# Altium PCB Grandmaster.PcbDoc (part 2 of 3)
Units mil, origin at the board's own origin, x right, y up, seen from the top; angles counter-clockwise.
Board outline 7087.6 x 4375.98 mil, 6 copper layers (TOP, SGND, IN1, IN2, SGND1, BOTTOM), stack 47.2 mil thick; 162 components, 146 nets, 938 pads, 430 vias.
Unrouted connection lines stored in the file: 225.
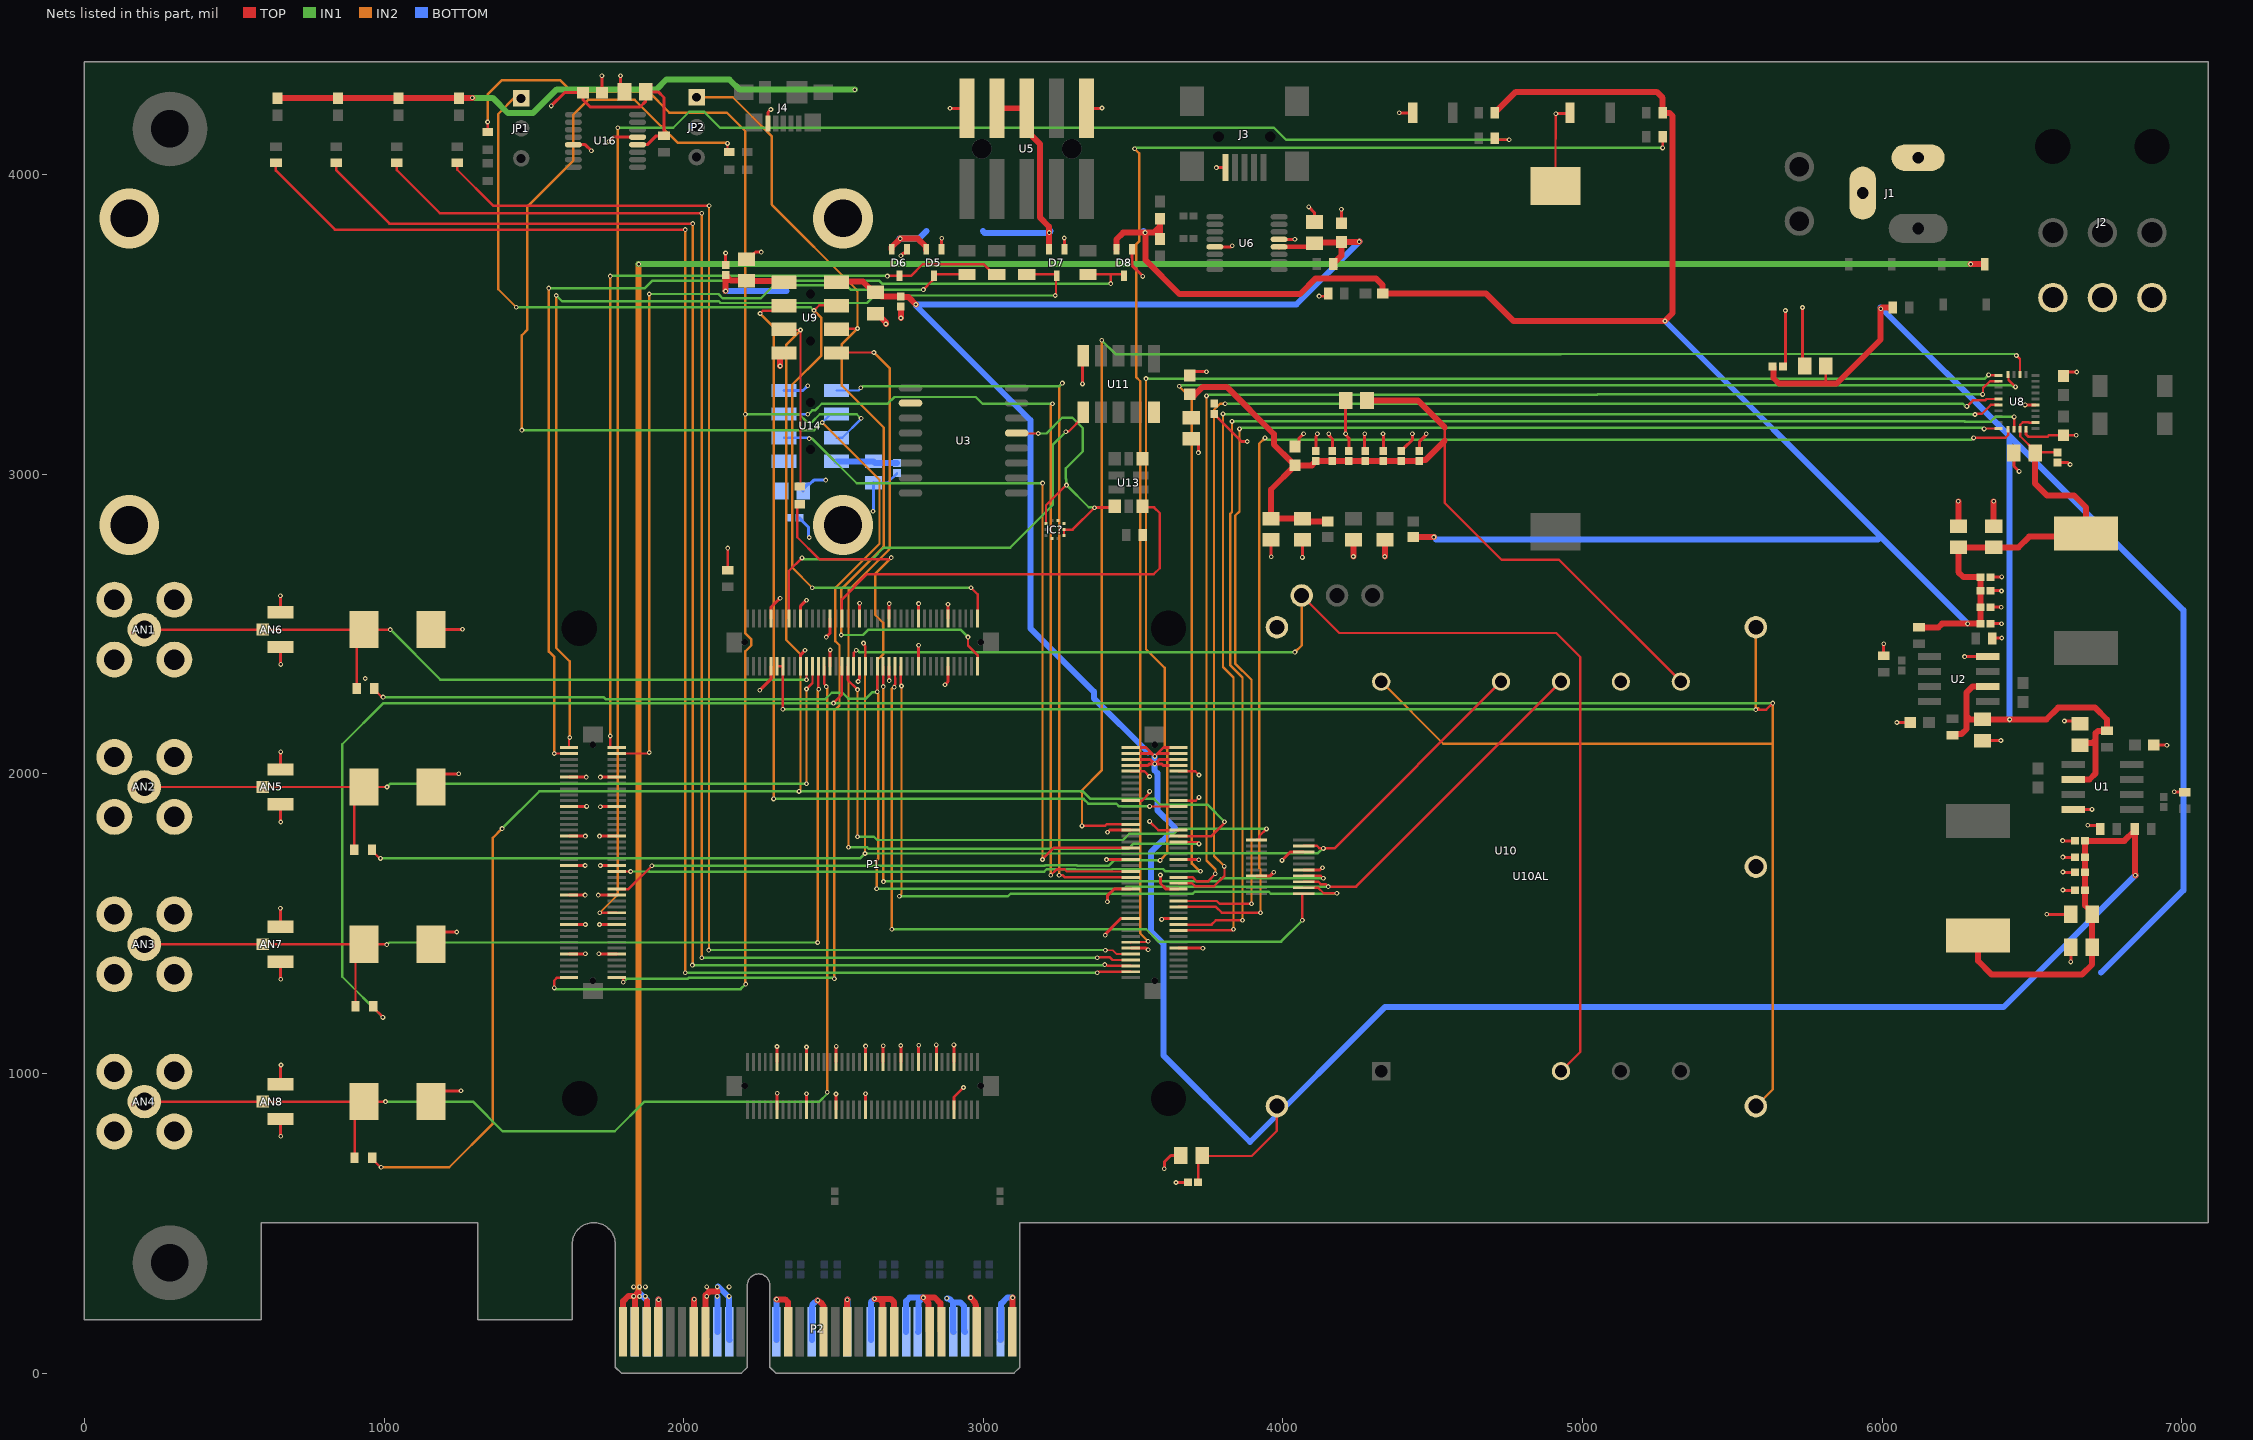
[diagram p6: the nets of this part, all layers, seen from the top]

## Via types
v1: diameter 16, hole 8, TOP to BOTTOM, 426 vias
v2: diameter 200, hole 125.98, TOP to BOTTOM, 4 vias

## Nets (pads, with @x,y where several pads share a name; then routed paths per layer and width w, separated by ;. In a path a pad name is that pad's centre, name@x,y a point inside that pad or via, vN(x,y) a via of type N, cw(c..) or ccw(c..) an arc to the next point about the centre after c; other vN are vias at no path point) (continued)
+3.3V: C7.1 C8.1 C9.1 C10.1 C11.1 C12.1 C56.1 C57.1 C58.1 C59.1 C87.1 C88.1 D4.2 D5.2 D6.2 D7.2 D8.2 D9.2 D10.2 D11.2 D12.2 D13.2 D14.2 FB2.1 L2.1 R5.2 R22.2 R32.2 R33.2 U5.4 U5.6 U8.3 U8.28 U9.2 U14.2 | length 11858.6
  TOP w8: R22.2@2146.84,2679.23 v1(2146.84,2753.06) ; U8.28@6511.36,3172.17 6490.44,3172.17 6489.26,3173.34 6469.48,3173.34 6460.76,3164.62 6460.76,3150.94 U8.3@6459.84,3150.02 6460.54,3149.32 6460.54,3126.7 6510.28,3076.97 C56.1@6510.28,3071.06 6512.2,3072.99 C57.1@6584.84,3072.99
  TOP w20: D11.2@644.84,4254.61 D12.2@846.51,4254.61 D13.2@1048.18,4254.61 D14.2@1249.84,4254.61 1293.39,4254.61 v1(1294.84,4256.06) ; v1(2139.84,3611.06) C59.1@2139.84,3663.35 ; C59.1@2142.31,3666.61 C59.1@2139.84,3664.13 C59.1@2139.84,3663.35 ; U9.2@2329.84,3642.28 2328.17,3643.96 2211.52,3643.96 C58.1@2209.84,3645.63 2157.56,3645.63 C59.1@2139.84,3663.35 ; D6.2@2694.25,3750.35 2694.25,3757.91 v1(2722.41,3786.07) 2781.09,3786.07 2809.25,3757.91 D5.2@2809.25,3750.35 ; U5.4@3044.84,4221.14 U5.6@3144.84,4221.14 3144.84,4146.14 3189.55,4101.44 3189.55,3855.9 3219.25,3826.2 D7.2@3219.25,3750.35 ; D8.2@3444.25,3750.35 3444.25,3783.82 3466.5,3806.06 v1(3539.84,3806.06) v1@3540.35,3806.57 ; D10.2@3589.84,3784.61 3589.84,3827.05 ; D9.2@3589.84,3852.52 3589.84,3827.05 ; FB2.1@4434.84,2789.88 v1(4503.66,2789.88) ; R32.2@4707.01,4206.06 4707.01,4211.57 4711.18,4215.75 4716.69,4215.75 4777.01,4276.06 5246.84,4276.06 5267.01,4255.9 R33.2@5267.01,4206.06 5289.84,4206.06 5299.84,4196.06 5299.84,3537.15 5274.84,3512.15 v1(5274.84,3511.06) 5274.08,3511.83 4768.68,3511.83 4677.17,3603.35 D4.2@4332.68,3603.35 4331.69,3604.33 4331.69,3631.89 4310.04,3653.54 4109.25,3653.54 4057.09,3601.38 3654.11,3601.38 3540.35,3715.13 v1@3540.35,3806.57 ; R5.2@6122.84,2488.23 6187.05,2488.23 6199.88,2501.06 v1(6284.84,2501.06) C10.1@6327.91,2501.06 C11.1@6327.91,2556.06 C12.1@6327.91,2611.06 C9.1@6327.91,2656.06 6271.1,2656.06 6253.94,2673.23 C7.1@6253.94,2755.91 C8.1@6372.05,2755.91 6454.72,2755.91 6490.16,2791.34 6669.17,2791.34 L2.1@6679.84,2802.01 6679.84,2889.06 6639.76,2929.13 6549.21,2929.13 6510.28,2968.07 C56.1@6510.28,3071.06 ; v1@3540.35,3806.57 3540.61,3806.83 3569.62,3806.83 3589.84,3827.05
  IN1 w20: v1(1294.84,4256.06) 1362.39,4256.06 1413.73,4204.72 1496.73,4204.72 1576.46,4284.45 1909.45,4284.45 1941.93,4316.93 2152.56,4316.93 2186.43,4283.06 v1(2570.84,4283.06)
  BOTTOM w20: v1(2139.84,3611.06) 2342.88,3611.06 ; v1@2719.85,3786.07 v1(2722.41,3786.07) 2784.51,3786.07 2809.51,3811.06 ; 2998.07,3811.06 3004.07,3805.06 3218.84,3805.06 v1(3219.84,3806.06) v1@3224.84,3811.06 ; v1@3534.84,3811.06 v1(3539.84,3806.06) ; v1(4503.66,2789.88) 4511.47,2782.07 5985.85,2782.07 5994.84,2791.06 ; v1(5274.84,3511.06) 5994.84,2791.06 ; v1(6284.84,2501.06) 5994.84,2791.06
+3.3V_CLEAN: C65.2 C66.2 C67.2 C74.2 C75.2 C76.2 C77.2 C78.2 C79.2 C80.2 C81.2 C82.2 C83.2 C84.2 FB3.2 IC?.1 IC?.6 IC?.10 R42.2 U3.2 U10AL.7 U11.10 U13.9 | length 3002.4
  TOP w8: 4539.84,3156.06 4539.84,3111.55 4539.84,2904.06 4729.33,2714.57 4920.67,2714.57 U10AL.7@5327.76,2307.48
  TOP w20: C67.2@3702.44,3261.09 3732.42,3291.06 3812.27,3291.06 3969.84,3133.49 3969.84,3098.72 4029.31,3039.25 4031.14,3039.25 4039.84,3030.55 C76.2@4039.84,3029.57 ; FB3.2@4149.84,2842.24 4074.09,2842.24 C75.2@4064.84,2851.5 C74.2@3959.84,2851.5 3959.84,2948.58 4039.84,3028.58 C76.2@4039.84,3029.57 ; C84.2@4280.28,3246.06 4449.84,3246.06 4539.84,3156.06 ; 4539.84,3111.55 4474.9,3046.61 4457.31,3046.61 C83.2@4454.84,3044.13 C82.2@4394.84,3044.13 C81.2@4334.84,3044.13 C80.2@4274.84,3044.13 C79.2@4219.84,3044.13 C78.2@4164.84,3044.13 C77.2@4109.84,3044.13 4109.84,3043.35 4096.06,3029.57 C76.2@4039.84,3029.57
+3.3V_PCIE: P2.A9 P2.A10 P2.B8 | length 481.9
  TOP w20: P2.B8@2072.84,137.8 2072.84,259.84 2084.65,271.65 2112.2,271.65 ; P2.B8@2073.62,111.06 P2.B8@2076.7,114.14
  BOTTOM w20: P2.A9@2112.21,137.8 v1(2112.2,255.91) ; v1@2114.84,288.7 2151.14,252.4 2151.14,112.29 P2.A10@2152.36,111.06
  other v1: 2076.77,255.91 2151.57,255.91 2076.77,287.4 2112.2,287.4 2151.57,287.4
+5.0V: C13.1 C14.1 C15.1 C16.1 C17.1 C18.1 C54.2 C55.2 C60.1 C61.1 C62.1 C63.1 C89.1 C90.1 C91.2 C92.2 L1.1 P1.1-1 P1.1-2 P1.1-3 P1.1-4 P1.1-5 P1.1-6 P1.1-7 P1.1-8 R4.1 R27.1 R43.1 U6.12 U9.1 U10.P5 U14.1 U16.12 | length 12181.1
  TOP w8: C63.1@3716.77,636.06 3716.77,712.56 C62.1@3730.28,726.06 3730.28,731.97 3737.83,724.41 3895.67,724.41 3979.73,808.47 U10.P5@3979.73,890.62
  TOP w10: v1(1557.84,4229.06) 1601.84,4273.06 C92.2@1664.35,4273.06 1664.35,4248.56 1687.84,4225.06 1853.84,4225.06 1873.28,4244.5 C91.2@1873.28,4270.16 ; U16.12@1846.13,4099.56 1878.34,4099.56 1908.01,4129.23 R43.1@1933.84,4129.23 1933.84,4257.06 1914.84,4276.06 C91.2@1879.18,4276.06 ; C91.2@1873.28,4276.06 C91.2@1873.28,4270.16 ; C91.2@1890.91,4299.31 1873.28,4281.67 C91.2@1873.28,4270.16 ; P1.1-7@3492.02,2028.29 3550.07,2028.29 3554.84,2033.06 v1(3571.84,2033.06) ; P1.1-5@3492.02,2047.98 3556.92,2047.98 v1(3571.84,2033.06) ; P1.1-3@3492.02,2067.66 3562.24,2067.66 ; P1.1-1@3492.02,2087.35 3542.55,2087.35 3562.24,2067.66 ; P1.1-8@3651.46,2028.29 3599.61,2028.29 3594.84,2033.06 v1(3571.84,2033.06) ; P1.1-6@3651.46,2047.98 3586.76,2047.98 v1(3571.84,2033.06) ; P1.1-4@3651.46,2067.66 3581.44,2067.66 ; P1.1-2@3651.46,2087.35 3601.13,2087.35 3581.44,2067.66 ; 3562.24,2067.66 v1(3571.84,2058.06) 3581.44,2067.66
  TOP w16: U6.12@3987.13,3758.56 3987.27,3758.7 4092.92,3758.7 C54.2@4104.84,3770.63
  TOP w20: U9.1@2504.84,3642.28 2598.15,3642.28 2633.94,3606.5 C60.1@2639.84,3606.5 2645.75,3606.5 2659.25,3592.99 C61.1@2724.84,3592.99 2727.31,3590.52 2750.39,3590.52 v1(2774.84,3566.06) ; C54.2@4104.84,3770.63 4106.81,3772.6 4192.87,3772.6 C55.2@4194.84,3774.57 ; R27.1@4167.01,3701.06 4167.01,3706.57 4171.18,3710.75 4176.69,3710.75 4194.84,3728.9 C55.2@4194.84,3774.57 ; v1(4254.84,3776.06) 4253.35,3774.57 C55.2@4194.84,3774.57 ; L1.1@6319.84,1460.12 6319.84,1375.04 6364.17,1330.71 6667.32,1330.71 6700.28,1363.66 C13.1@6700.28,1421.06 C14.1@6700.28,1531.06 6700.28,1536.97 6676.77,1560.47 C15.1@6676.77,1611.06 C16.1@6676.77,1671.06 C17.1@6676.77,1721.06 C18.1@6676.77,1776.06 6808.19,1776.06 R4.1@6842.68,1810.55 ; R4.1@6842.68,1816.06 R4.1@6842.68,1810.55 ; v1(6844.84,1661.06) 6844.84,1666.06 6842.68,1668.23 R4.1@6842.68,1810.55
  BOTTOM w20: U14.1@2509.84,3042.84 2632.5,3042.84 C89.1@2632.84,3042.5 2638.35,3036.99 C90.1@2711.84,3036.99 ; 3549.84,2071.06 3368.84,2252.06 3368.84,2273.83 3157.07,2485.6 3157.07,3180.53 2774.84,3562.76 v1(2774.84,3566.06) 4044.84,3566.06 v1(4254.84,3776.06) ; v1(3571.84,2058.06) v1(3571.84,2033.06) 3571.84,2010.83 3580.84,2001.83 3580.84,1878.24 3639.84,1819.24 3559.84,1739.24 3559.84,1473.49 3600.57,1432.76 3600.57,1060.33 3889.84,771.06 4339.72,1220.94 6404.72,1220.94 v1(6844.84,1661.06)
+12V: C1.1 C2.1 C5.1 C6.1 F1.2 R2.2 R3.2 U1.2 U2.2 | length 5484.9
  TOP w8: 5812.01,3302.17 C1.1@5812.01,3361.22
  TOP w20: C2.1@5636.81,3357.28 5636.92,3357.17 5636.92,3320.76 5655.51,3302.17 5812.01,3302.17 5847.44,3302.17 5994.84,3449.57 v1(5994.84,3552.06) 5998.84,3556.06 F1.2@6035.68,3556.06 ; R3.2@6234.84,2128.9 6239.02,2133.07 6264.96,2133.07 6281.5,2149.61 6281.5,2192.91 ; U2.2@6352.28,2291.06 6300.91,2291.06 6281.5,2271.65 6281.5,2192.91 ; U1.2@6637.4,1981.06 6691.69,1981.06 6712.16,2001.53 6712.16,2114.06 ; C6.1@6659.84,2095.63 6666.55,2102.34 6700.44,2102.34 6712.16,2114.06 ; R2.2@6749.84,2143.23 R2.2@6744.33,2143.23 ; 6281.5,2192.91 6293.13,2181.28 6424.63,2181.28 v1(6424.84,2181.06) 6547.85,2181.06 6587.26,2220.47 6710.63,2220.47 6750,2181.1 6750,2148.9 R2.2@6744.33,2143.23 ; 6712.16,2114.06 6712.16,2135.39 6720,2143.23 R2.2@6744.33,2143.23
  BOTTOM w20: v1@5994.84,3556.06 6424.84,3126.06 ; v1(6424.84,2181.06) 6424.84,3126.06 ; 6729.84,1336.06 7004.84,1611.06 7004.84,2546.06 6424.84,3126.06
+12V_PCIE: D3.2 P2.A2 P2.A3 P2.B1 P2.B2 P2.B3 | length 8740
  TOP w20: P2.B1@1798.03,111.06 1798.03,239.96 1815.07,257 1835.78,257 1846.6,267.82 1849.84,267.82 1837.4,255.38 P2.B2@1837.4,111.06 ; P2.B3@1876.77,111.06 1876.77,240.89 ; v1(6294.84,3701.06) D3.2@6341.69,3701.06
  IN1 w20: v1(1849.84,3701.06) v1(6294.84,3701.06)
  IN2 w20: 1849.84,271.06 v1(1849.84,3701.06)
  BOTTOM w20: P2.A2@1837.4,111.06 1837.4,257.54 1849.84,269.98 1876.77,243.05 P2.A3@1876.77,111.06
  other v1: 1832.68,255.91 1852.36,255.91 1872.05,255.91 1832.68,287.4 1852.36,287.4 1872.05,287.4
ANT1: AN1.1 AN6.1 D16.A P1.2-21 R14.2 | length 2530.6
  TOP w8: AN1.1@199.84,2481.06 AN6.1@594.8,2481.06 D16.A@932.64,2481.06 ; R14.2@908.46,2284.45 908.46,2456.89 D16.A@932.64,2481.06 ; v1(1020.84,2481.06) D16.A@932.64,2481.06 ; v1(2409.84,2314.06) P1.2-21@2409.82,2358.81
  IN1 w8: v1(1020.84,2481.06) 1187.84,2314.06 v1(2409.84,2314.06)
ANT2: AN2.1 AN5.1 D15.A P1.2-23 R15.2 | length 2837
  TOP w8: AN2.1@199.84,1956.06 AN5.1@594.8,1956.06 D15.A@932.64,1956.06 ; R15.2@900.59,1747.05 900.59,1924.02 D15.A@932.64,1956.06 ; v1(1009.84,1956.06) D15.A@932.64,1956.06 ; v1(2409.84,2283.06) 2429.84,2303.06 2429.84,2322.35 2429.64,2322.54 2429.64,2358.68 P1.2-23@2429.51,2358.81
  IN1 w8: v1(1009.84,1956.06) 1020.84,1967.06 v1(2409.84,1967.06)
  IN2 w8: v1(2409.84,1967.06) v1(2409.84,2283.06)
ANT3: AN3.1 AN7.1 D17.A P1.2-25 R16.2 | length 3392.7
  TOP w8: AN3.1@199.84,1431.06 AN7.1@594.8,1431.06 D17.A@932.64,1431.06 ; R16.2@904.53,1224.41 904.53,1402.95 D17.A@932.64,1431.06 ; v1(1008.84,1430.06) 1007.84,1431.06 D17.A@932.64,1431.06 ; P1.2-25@2449.19,2358.81 2449.19,2285.88 2450.84,2284.23 v1(2450.84,2282.06)
  IN1 w8: v1(1008.84,1430.06) 1010.53,1430.06 1017.53,1437.06 v1(2446.84,1437.06)
  IN2 w8: v1(2446.84,1437.06) 2446.84,2275.9 2450.84,2279.9 v1(2450.84,2282.06)
ANT4: AN4.1 AN8.1 D18.A P1.2-27 R36.2 | length 4003.1
  TOP w8: AN4.1@199.84,906.06 AN8.1@594.8,906.06 D18.A@932.64,906.06 ; R36.2@901.57,718.5 901.57,875 D18.A@932.64,906.06 ; v1(1004.84,906.06) D18.A@932.64,906.06 ; P1.2-27@2468.88,2358.81 2468.88,2299.75 2475.84,2292.79 v1(2475.84,2291.06)
  IN1 w8: v1(1004.84,906.06) 1296.69,906.06 1395.67,807.09 1769.68,807.09 1868.66,906.06 2452.84,906.06 2478.84,932.06 v1(2478.84,937.06)
  IN2 w8: v1(2475.84,2291.06) 2478.84,2288.06 v1(2478.84,937.06)
CSN: P1.1-27 U8.18 | length 4960.1
  TOP w8: v1(3329.17,1826.06) 3405.84,1826.06 3411.22,1831.44 P1.1-27@3492.02,1831.44 ; v1(6447.58,3396.06) 6459.69,3383.96 U8.18@6459.69,3332.11
  IN1 w8: v1(3394.84,3447.06) 3441.31,3400.59 4926.87,3400.59 4927.34,3401.06 6440.41,3401.06 6445.41,3396.06 v1(6447.58,3396.06)
  IN2 w8: v1(3329.17,1826.06) 3329.17,1936.73 3324.84,1941.06 3394.84,2011.06 v1(3394.84,3447.06)
DCXO1: P1.2-34 U13.6 | length 1418.3
  TOP w8: P1.2-34@2527.93,2518.25 2527.93,2582.07 2612.2,2666.34 3568.9,2666.34 3588.58,2686.02 3588.58,2870.08 3569.68,2888.98 3534.46,2888.98 U13.6@3531.1,2892.34
DCXO2: P1.2-16 U11.6 | length 1489.1
  TOP w8: P1.2-16@2350.77,2518.25 2350.77,2676.56 v1(2394.69,2720.47) ; v1(3275.59,3141.73) 3277.12,3143.26 3285.9,3143.26 3333.11,3190.47 U11.6@3333.11,3206.22
  IN1 w8: v1(2394.69,2720.47) 2396.28,2718.88 ccw(c2401.94,2724.54) 2401.94,2716.54 2626.61,2716.54 ccw(c2626.61,2724.54) 2632.28,2718.89 2665.95,2752.56 cw(c2671.62,2746.92) 2671.58,2754.92 ; 2671.62,2754.92 3089.57,2754.92 3232.28,2897.64 3232.28,3098.43 v1(3275.59,3141.73)
FPGA_TCK: D5.3 P1.3-77 R18.1 | length 2756.2
  TOP w8: P1.3-77@1776.55,2067.7 1881.48,2067.7 v1(1884.84,2071.06) ; v1(2799.84,3616.06) 2829,3645.22 2829,3655.93 D5.3@2834.84,3661.77 2839.76,3666.69 R18.1@2944.84,3666.69
  IN1 w8: v1(1884.84,3601.06) 2115.9,3601.06 2129.9,3587.06 2257.8,3587.06 2300.61,3629.87 2543.32,3629.87 2557.13,3616.06 v1(2799.84,3616.06)
  IN2 w8: v1(1884.84,2071.06) v1(1884.84,3601.06)
FPGA_TDI: D8.3 P1.3-78 R21.1 | length 3668.2
  TOP w8: v1(1568.2,2067.7) P1.3-78@1617.11,2067.7 ; R21.1@3349.84,3666.69 3425.2,3666.69 ; v1(3424.84,3636.06) 3425.2,3636.42 3425.2,3666.69 ; D8.3@3464,3648.06 3469.84,3653.9 D8.3@3469.84,3661.77 3464.92,3666.69 3425.2,3666.69
  IN1 w8: v1(1549.84,3621.06) 1870.9,3621.06 1895.71,3645.87 2652.18,3645.87 2661.99,3636.06 v1(3424.84,3636.06)
  IN2 w8: v1(1549.84,3621.06) 1549.84,2465.28 1549.84,2407.84 1568.2,2389.48 v1(1568.2,2067.7)
FPGA_TDO: D6.3 P1.3-79 R19.1 | length 2916.3
  TOP w8: v1(1754.84,2126.06) 1754.84,2088.31 1755.76,2087.39 P1.3-79@1776.55,2087.39 ; v1(2679.84,3661.06) 2680.55,3661.77 D6.3@2719.84,3661.77 2758.23,3661.77 2797.52,3701.06 3000.63,3701.06 3035,3666.69 R19.1@3044.84,3666.69
  IN1 w8: v1(1754.84,3661.06) 1755.65,3661.87 2679.03,3661.87 v1(2679.84,3661.06)
  IN2 w8: v1(1754.84,2126.06) v1(1754.84,3661.06)
FPGA_TMS: D7.3 P1.3-80 R20.1 | length 3384
  TOP w8: P1.3-80@1617.11,2087.39 1617.11,2118.33 v1(1619.84,2121.06) ; R20.1@3144.84,3666.69 3239.92,3666.69 D7.3@3244.84,3661.77 3242.34,3659.27 3242.34,3598.56 v1(3239.84,3596.06)
  IN1 w8: v1(1574.84,3596.06) 1593.84,3577.06 2117.27,3577.06 2123.27,3571.06 2611.92,3571.06 2636.92,3596.06 v1(3239.84,3596.06)
  IN2 w8: v1(1574.84,3596.06) 1574.84,2420.24 1619.84,2375.24 v1(1619.84,2121.06)
GND: AN1.2 AN1.3 AN1.4 AN1.5 AN2.2 AN2.3 AN2.4 AN2.5 AN3.2 AN3.3 AN3.4 AN3.5 AN4.2 AN4.3 AN4.4 AN4.5 AN5.2 AN5.3 AN6.2 AN6.3 AN7.2 AN7.3 AN8.2 AN8.3 BT1.1 C1.2 C2.2 C5.2 C6.2 C7.2 C8.2 C9.2 C10.2 C11.2 C12.2 C13.2 C14.2 C15.2 C16.2 C17.2 C18.2 C19.1 C21.1 C54.1 C55.1 C56.2 C57.2 C58.2 C59.2 C60.2 C61.2 C62.2 C63.2 C65.1 C66.1 C67.1 C72.1 C73.1 C74.1 C75.1 C76.1 C77.1 C78.1 C79.1 C80.1 C81.1 C82.1 C83.1 C84.1 C85.1 C86.1 C87.2 C88.2 C89.2 C90.2 C91.1 C92.1 D5.1 D6.1 D7.1 D8.1 D15.K D16.K D17.K D18.K IC?.3 IC?.8 IC?.9 J1.2 J1.3 J2.4 J2.5 J2.6 J3.5 J4.5 P1.1-9 P1.1-10 P1.1-19 P1.1-20 P1.1-29 P1.1-30 P1.1-39 P1.1-40 P1.1-49 P1.1-50 P1.1-59 P1.1-60 P1.1-69 P1.1-70 P1.2-9 P1.2-10 P1.2-19 P1.2-20 P1.2-29 P1.2-30 P1.2-39 P1.2-40 P1.2-49 P1.2-50 P1.2-59 P1.2-60 P1.2-69 P1.2-70 P1.3-9 P1.3-10 P1.3-19 P1.3-20 P1.3-29 P1.3-30 P1.3-39 P1.3-40 P1.3-49 P1.3-50 P1.3-59 P1.3-60 P1.3-69 P1.3-70 P1.4-9 P1.4-10 P1.4-15 P1.4-21 P1.4-27 P1.4-33 P1.4-39 P1.4-40 P1.4-49 P1.4-50 P1.4-59 P1.4-60 P1.4-69 P1.4-70 P2.A4 P2.A12 P2.A15 P2.A18 P2.A20 P2.A23 P2.A24 P2.A27 P2.A28 P2.A31 P2.B4 P2.B7 P2.B13 P2.B16 P2.B18 P2.B21 P2.B22 P2.B25 P2.B26 P2.B29 P2.B32 R1.1 R6.1 R7.1 R8.1 R9.1 S5.1 S6.1 U1.4 U2.4 U3.13 U5.2 U5.10 U6.5 U6.13 U8.2 U8.25 U9.8 U10.8 U10.9 U10.15 U10.P2 U10.P4 U10AL.8 U11.5 U13.4 U14.8 U16.5 U16.13 | length 13846
  TOP w8: U3.13@3111.22,3137.2 3112.6,3135.83 v1(3183.07,3135.83) ; IC?.3@3209.17,2834.65 3209.17,2896.18 v1@3271.65,2958.66 ; IC?.8@3269.17,2795.28 IC?.9@3269.17,2814.96 3297.74,2814.96 v1(3370.84,2888.06) ; P1.1-19@3492.02,1910.18 3528.96,1910.18 v1@3554.84,1936.06 ; P1.1-9@3492.02,2008.61 3537.29,2008.61 v1(3554.84,1991.06) ; v1(3554.84,1841.06) 3584.14,1811.76 P1.1-30@3651.46,1811.76 ; P1.1-20@3651.46,1910.18 3708.96,1910.18 v1(3719.84,1921.06) ; P1.1-10@3651.46,2008.61 3707.29,2008.61 v1(3719.84,1996.06) ; v1(4120.39,3594.15) 4141.39,3594.15 R1.1@4150.59,3603.35 ; BT1.1@4909.45,3961.61 4909.45,4118.11 4910.84,4119.5 v1(4910.84,4203.06)
  TOP w9: U8.2@6479.37,3143.78 6479.45,3143.7 6479.45,3132.76 6487.14,3125.06 6551.47,3125.06 6555.97,3129.57 C85.1@6604.84,3129.57 6605.2,3129.92 v1(6647.64,3129.92)
  TOP w10: v1(653.84,1551.06) 654.84,1550.06 AN7.2@654.84,1489.13 ; v1(653.97,2593.89) 654.84,2593.01 AN6.2@654.84,2539.13 ; v1(654.84,790.06) AN8.3@654.84,847.99 ; AN8.2@654.84,964.13 654.84,1027.06 v1(655.84,1028.06) ; v1(654.84,1314.06) AN7.3@654.84,1372.99 ; v1(654.84,1839.06) AN5.3@654.84,1897.99 ; AN5.2@654.84,2014.13 v1(654.84,2073.06) ; v1(654.84,2365.06) AN6.3@654.84,2422.99 ; D18.K@1157.05,906.06 1193.05,942.06 v1(1256.84,942.06) ; D17.K@1157.05,1431.06 1198.05,1472.06 v1(1242.84,1472.06) ; D15.K@1157.05,1956.06 1157.05,1956.83 1200.28,2000.06 v1(1248.84,2000.06) ; D16.K@1157.05,2481.06 1260.84,2481.06 v1(1261.84,2482.06) ; P1.3-10@1617.11,1398.41 1671.19,1398.41 v1(1671.84,1399.06) ; P1.3-20@1617.11,1496.84 1617.19,1496.92 1645.66,1496.92 1645.8,1497.06 v1(1671.84,1497.06) ; P1.3-30@1617.11,1595.26 1670.64,1595.26 v1(1670.84,1595.06) ; P1.3-40@1617.11,1693.69 1670.47,1693.69 v1(1670.84,1694.06) ; P1.3-50@1617.11,1792.11 P1.3-50@1617.11,1792.11 v1(1671.84,1792.06) ; P1.3-60@1617.11,1890.54 1675.32,1890.54 v1(1675.84,1891.06) ; P1.3-70@1617.11,1988.96 1674.74,1988.96 v1(1674.84,1989.06) ; U16.5@1631.56,4099.56 1671.34,4099.56 v1(1691.84,4079.06) ; v1(1714.84,1595.06) 1715.04,1595.26 P1.3-29@1776.55,1595.26 ; v1(1716.84,1399.06) 1717.49,1398.41 P1.3-9@1776.55,1398.41 ; v1(1718.84,1497.06) 1719.06,1496.84 P1.3-19@1776.55,1496.84 ; v1(1718.84,1792.06) v1(1718.84,1792.06) P1.3-49@1776.55,1792.11 ; v1(1721.84,1694.06) 1722.21,1693.69 P1.3-39@1776.55,1693.69 ; v1(1721.84,1890.06) 1722.32,1890.54 P1.3-59@1776.55,1890.54 ; v1(1721.84,1989.06) 1721.94,1988.96 P1.3-69@1776.55,1988.96 ; v1(1726.84,4329.37) 1727.34,4328.88 C92.1@1727.34,4273.06 ; v1(1749.84,4110.06) 1764.34,4124.56 U16.13@1846.13,4124.56 ; v1(1788.84,4329.37) 1788.84,4289.63 C91.1@1802.41,4276.06 ; C59.2@2139.84,3697.99 v1(2139.84,3738.06) ; C58.2@2209.84,3716.5 2215.75,3716.5 2233.39,3734.13 2233.39,3735.21 2239.24,3741.06 v1(2258.84,3741.06) ; v1(2253.84,2279.06) 2291.71,2316.93 P1.2-9@2291.71,2358.81 ; J4.5@2281.39,4170.34 2281.39,4207.61 v1(2290.84,4217.06) ; P1.2-10@2291.71,2518.25 2291.79,2518.33 2291.79,2556.32 v1(2321.54,2586.06) ; P1.4-70@2311.41,878.87 2311.41,933.63 v1(2311.84,934.06) ; P1.4-69@2311.41,1038.31 v1(2311.41,1090.01) v1@2312.84,1091.44 ; P1.2-19@2390.14,2358.81 2390.14,2397.36 v1(2404.84,2412.06) ; P1.2-20@2390.14,2518.25 2390.14,2560.36 2408.84,2579.06 v1(2409.84,2579.06) ; P1.4-60@2409.83,878.87 v1(2409.83,932.05) ; P1.4-59@2409.83,1038.31 v1(2409.83,1088.05) ; v1(2475.84,2456.06) 2488.56,2468.78 P1.2-30@2488.56,2518.25 ; P1.2-29@2488.56,2358.81 2488.56,2412.78 v1(2488.84,2413.06) ; P1.4-50@2508.26,878.87 v1(2508.26,931.48) ; P1.4-49@2508.26,1038.31 2508.26,1089.48 v1(2508.84,1090.06) ; v1@2581.84,2312.06 2586.99,2317.21 P1.2-39@2586.99,2358.81 ; v1(2586.84,2569.06) 2586.99,2568.91 P1.2-40@2586.99,2518.25 ; P1.4-40@2606.68,878.87 v1(2606.68,931.9) v1@2608.84,934.06 ; P1.4-39@2606.68,1038.31 2606.68,1090.9 v1(2606.84,1091.06) ; P1.4-33@2665.74,1038.31 2665.74,1091.96 v1(2665.84,1092.06) ; P1.2-49@2685.41,2358.81 2685.41,2311.49 v1(2685.84,2311.06) ; P1.2-50@2685.41,2518.25 2685.41,2567.63 v1(2685.84,2568.06) ; v1(2724.48,1093.06) 2724.79,1090.59 P1.4-27@2724.79,1038.31 ; v1(2724.84,3729.06) 2724.84,3729.76 2732.72,3737.64 2740.59,3737.64 2745.43,3742.48 D6.1@2745.43,3750.35 ; P1.4-21@2783.85,1038.31 2783.85,1091.59 v1(2784.16,1094.06) ; P1.2-59@2783.84,2358.81 v1(2783.84,2429.06) ; P1.2-60@2783.84,2518.25 v1(2783.84,2568.06) ; v1(2842.84,1095.06) 2842.9,1095 P1.4-15@2842.9,1038.31 ; D5.1@2860.43,3750.35 2860.43,3784.65 v1@2860.84,3785.06 ; v1(2871.84,2297.06) 2882.26,2307.48 P1.2-69@2882.26,2358.81 ; v1(2881.84,2566.06) 2882.26,2565.64 P1.2-70@2882.26,2518.25 ; v1(2888.84,4221.06) 2888.92,4221.14 U5.2@2944.84,4221.14 ; v1(2901.84,1095.06) 2901.96,1094.94 P1.4-9@2901.96,1038.31 ; P1.4-10@2901.96,878.87 2901.96,921.18 v1(2933.84,953.06) ; v1@3269.84,3785.06 3270.43,3784.47 D7.1@3270.43,3750.35 ; v1(3330.84,3301.06) 3330.84,3392.93 U11.5@3333.11,3395.2 ; U5.10@3344.84,4221.14 3394.92,4221.14 v1(3395.84,4222.06) ; v1(3370.84,2888.06) 3434.31,2888.06 U13.4@3438.58,2892.34 ; v1(3406.84,1461.06) 3406.84,1462.69 3409.84,1465.69 3409.84,1468.06 3448.51,1506.73 3448.51,1507.11 3457.89,1516.48 P1.1-59@3492.02,1516.48 ; v1(3410.84,1713.65) 3463.23,1713.65 3463.47,1713.41 3491.94,1713.41 P1.1-39@3492.02,1713.33 ; v1(3413.84,1573.06) 3413.84,1593.06 3435.69,1614.91 P1.1-49@3492.02,1614.91 ; v1(3414.47,1805.06) 3421.17,1811.76 P1.1-29@3492.02,1811.76 ; P1.1-69@3492.02,1418.06 3543.22,1418.06 3548.22,1413.06 v1(3549.84,1413.06) ; D8.1@3495.43,3750.35 3495.43,3697.47 3531.84,3661.06 v1(3531.84,3660.06) ; v1(3590.84,1662.06) 3590.84,1634.06 3609.99,1614.91 P1.1-50@3651.46,1614.91 ; v1(3594.84,1514.06) 3596.47,1514.06 3598.89,1516.48 P1.1-60@3651.46,1516.48 ; v1(3603.84,682.06) 3603.84,704.24 3625.67,726.06 C62.2@3659.41,726.06 C62.2@3659.41,723.49 ; v1(3642.84,636.06) C63.2@3682.91,636.06 ; P1.1-70@3651.46,1418.06 v1(3732.84,1418.06) ; P1.1-40@3651.46,1713.33 3718.57,1713.33 v1(3718.84,1713.06) ; C67.1@3688.84,3329.56 3701.35,3342.06 v1(3744.84,3342.06) ; C65.1@3693.84,3117.63 3699.75,3117.63 3717.39,3099.99 3717.39,3094.09 3717.84,3093.63 v1(3717.84,3072.06) ; C66.1@3769.84,3201.13 3769.84,3200.35 3777.44,3192.75 3778.23,3192.75 3861.91,3109.06 v1(3880.84,3109.06) ; U6.5@3772.56,3758.56 3825.72,3758.56 3829.22,3762.06 v1(3830.84,3762.06) ; v1(3777.84,4023.06) 3778.84,4023.06 3779.48,4023.7 J3.5@3808.46,4023.7 ; U10.8@3911.42,1659.62 3957.4,1659.62 v1(3968.84,1671.06) ; C74.1@3959.84,2780.63 3959.84,2725.06 v1(3960.84,2724.06) ; U6.13@3987.13,3783.56 4039.34,3783.56 v1(4039.84,3784.06) ; v1(3996.84,1711.06) 4025.4,1739.62 U10.15@4068.9,1739.62 ; C76.1@4039.84,3092.56 4052.89,3105.61 4052.89,3119.11 v1(4068.84,3135.06) ; v1(4064.84,2722.06) C75.1@4064.84,2780.63 ; U10.9@4068.9,1679.62 4123.78,1679.62 4130.22,1686.06 v1(4131.84,1686.06) ; v1(4085.84,3892.06) 4104.63,3873.28 4104.63,3841.71 C54.1@4104.84,3841.5 ; C77.1@4109.84,3077.99 4109.84,3126.06 4113.69,3129.91 4113.69,3133.91 v1(4114.84,3135.06) ; v1(4152.84,3135.06) 4153.99,3133.91 4153.99,3127.91 4164.84,3117.06 C78.1@4164.84,3077.99 ; C55.1@4194.84,3837.56 v1(4194.84,3884.06) ; C84.1@4209.41,3246.06 4209.41,3135.63 v1(4208.84,3135.06) 4209.99,3133.91 4209.99,3129.91 4219.84,3120.06 C79.1@4219.84,3077.99 ; v1(4272.84,3135.06) 4272.84,3079.99 C80.1@4274.84,3077.99 ; v1(4333.84,3135.06) 4334.84,3134.06 C81.1@4334.84,3077.99 ; v1(4387.84,4206.06) S5.1@4432.91,4206.06 ; C82.1@4394.84,3077.99 4394.84,3078.78 4402.44,3086.38 4403.23,3086.38 4431.84,3114.99 v1(4431.84,3135.06) ; C83.1@4454.84,3077.99 4454.84,3108.06 4476.69,3129.91 4476.69,3133.91 v1(4477.84,3135.06) ; v1(4910.84,4203.06) 4954.91,4203.06 S6.1@4957.91,4206.06 ; C2.2@5676.77,3362.2 5676.77,3545.99 v1(5676.84,3546.06) ; C1.2@5733.84,3361.22 v1(5733.84,3556.06) ; R9.1@6004.84,2393.23 v1(6004.84,2434.06) ; v1(6048.84,2171.06) C21.1@6093.35,2171.06 ; v1(6274.84,2391.06) U2.4@6352.28,2391.06 ; C5.2@6334.84,2110.63 6395.41,2110.63 v1(6395.84,2111.06) ; C10.2@6361.77,2501.06 v1(6397.84,2501.06) ; C11.2@6361.77,2556.06 v1(6396.84,2556.06) ; C12.2@6361.77,2611.06 6396.84,2611.06 v1(6397.84,2610.06) ; C9.2@6361.77,2656.06 6397.84,2656.06 v1(6398.84,2657.06) ; R7.1@6367.01,2451.06 6369.01,2453.06 v1(6398.84,2453.06) ; C56.2@6439.41,3071.06 6439.41,3026.5 v1(6456.84,3009.06) ; v1(6476.84,3231.06) 6477,3231.22 U8.25@6511.36,3231.22 ; v1(6548.84,1531.06) C14.2@6629.41,1531.06 ; C57.2@6584.84,3039.13 6619.77,3039.13 v1(6626.84,3032.06) ; v1(6601.84,1777.06) 6602.84,1776.06 C18.2@6642.91,1776.06 ; v1(6602.84,1612.06) 6603.84,1611.06 C15.2@6642.91,1611.06 ; v1(6602.84,1672.06) 6603.84,1671.06 C16.2@6642.91,1671.06 ; v1(6602.84,1722.06) 6603.84,1721.06 C17.2@6642.91,1721.06 ; C86.1@6604.84,3327.56 6618.35,3341.06 v1(6648.84,3341.06) ; v1(6607.84,2176.06) 6650.28,2176.06 C6.2@6659.84,2166.5 ; v1(6628.84,1372.06) 6629.41,1372.63 C13.2@6629.41,1421.06 ; U1.4@6637.4,1881.06 v1(6699.84,1881.06) ; v1(6685.84,1828.06) 6718.5,1828.06 6727.68,1818.89 R6.1@6727.68,1816.06 ; C19.1@6906.34,2096.06 6948.84,2096.06 v1(6949.84,2095.06) ; v1(6974.41,1939.96) 7011.57,1939.96 R8.1@7015.5,1943.89 ; R8.1@7009.84,1938.23 R8.1@7010.71,1939.09